# Allegro board 038RT-9068CJK8E-A100_0921_1.brd (continued)
## Nets (continued)
S2_AVDD09: S2_AVDD09.1(TP) SITE2.A8(AVDD09_FE[01]) SITE2.D8(AVDD09_FE[02]) SITE2.D15(AVDD09_MCK[01]) SITE2.D16(AVDD09_GIGA[01]) SITE2.E4(AVDD09[01]) SITE2.E5(AVDD09[02]) SITE2.E15(AVDD09_MCK[02]) SITE2.E16(AVDD09_GIGA[02]) SITE2.T13(AVDD09_SGMII[01]) SITE2.T14(AVDD09_SGMII[02]) SITE2.V4(AVDD09_RX[01]) SITE2.V5(AVDD09_RX[02]) SITE2.V8(AVDD09_CMU[01]) SITE2.V9(AVDD09_CMU[02]) SITE2.V10(AVDD09_TX[01]) SITE2.V11(AVDD09_TX[02]) UNK2BD2.1 UNK2CD26.1 UNK2CD27.1 UNK2CD28.1 UNK2CD29.1 UNK2CD30.1 UNK2CD31.1 UNK2CD32.1 UNK2CD33.1 UNK2CD34.1 UNK2CD35.1 UNK2CD36.1 UNK2CD37.1 UNK2CD38.1 UNK2CD39.1 UNK2CD40.1 UNK2CD41.1 UNK2CD42.1 UNK2CD43.1 UNK2CD44.1 UNK2CD82.1 UNK2CD86.1
S2_AVDD09_VO09: UNK2K4.8 UNK2RD21.1
S2_AVDD33: S2_AVDD33.1(TP) SITE2.B12(AVDD33_XTAL[01]) SITE2.B13(AVDD33_XTAL[02]) SITE2.B14(AVDD33_CEN) SITE2.B17(AVDD33_MCK[01]) SITE2.B18(AVDD33_MCK[02]) SITE2.D4(AVDD33[01]) SITE2.D5(AVDD33[02]) SITE2.D6(AVDD33_DIG[01]) SITE2.D7(AVDD33_FE[01]) SITE2.E6(AVDD33_DIG[02]) SITE2.E7(AVDD33_FE[02]) SITE2.E11(AVDD33_CKDIG) SITE2.F15(AVDD33_P2[01]) SITE2.F16(AVDD33_P3[01]) SITE2.G5(AVDD33_PCTL) SITE2.G15(AVDD33_P2[02]) SITE2.G16(AVDD33_P3[02]) SITE2.T9(AVDD33_CMU[01]) SITE2.T10(AVDD33_CMU[02]) SITE2.T15(AVDD33_SGMII[01]) SITE2.T16(AVDD33_SGMII[02]) SITE2.V16(AVDD33_SGMII[03]) UNK2CD51.1 UNK2CD52.1 UNK2CD53.1 UNK2CD54.1 UNK2CD55.1 UNK2CD56.1 UNK2CD57.1 UNK2CD58.1 UNK2CD59.1 UNK2CD60.1 UNK2CD61.1 UNK2CD62.1 UNK2CD63.1 UNK2CD64.1 UNK2CD65.1 UNK2CD66.1 UNK2CD67.1 UNK2CD68.1 UNK2CD69.1 UNK2CD70.1 UNK2CD71.1 UNK2CD72.1 UNK2CD73.1 UNK2CD87.1 UNK2CD88.1 UNK2RD32.1
S2_AVDD33_MOSFET: S2_AVDD33_MOSFET.1(TP) SITE2.J5(AVDD33MOSFET) UNK2BD5.1 UNK2CD90.1 UNK2CD96.1 UNK2CD114.1 UNK2CMOS1.3 UNK2ST5.1
S2_CHR_FE_MDI+: UNK2K58.4 UNK2R130.1
S2_CHR_FE_MDI-: UNK2K58.5 UNK2R130.2
S2_CHR_FE_MDIX+: UNK2K54.4 UNK2R126.1
S2_CHR_FE_MDIX-: UNK2K54.5 UNK2R126.2
S2_CKXTAL1: SITE2.A13(XI) UNK2K34.6
S2_CKXTAL2: SITE2.A12(XO) UNK2K34.3
S2_DCH_AT+: MUX15.4(S3A) SITE2.B15(ATP)
S2_DCH_AT-: MUX15.9(S3B) SITE2.B16(ATN)
S2_DCH_P4_HSI+: MUX1.4(S3A) UNK2K184.33
S2_DCH_P4_HSI-: MUX1.9(S3B) UNK2K184.34
S2_DCH_P4_HSO+: MUX2.4(S3A) UNK2K184.31
S2_DCH_P4_HSO-: MUX2.9(S3B) UNK2K184.32
S2_DCH_P5_HSI+: MUX3.4(S3A) UNK2K184.24
S2_DCH_P5_HSI-: MUX3.9(S3B) UNK2K184.25
S2_DCH_P5_HSO+: MUX4.4(S3A) UNK2K184.22
S2_DCH_P5_HSO-: MUX4.9(S3B) UNK2K184.23
S2_DCH_P6_CLKREQB: MUX11.4(S3A) UNK2K211.4
S2_DCH_P6_HSI+: MUX6.4(S3A) UNK2K214.24
S2_DCH_P6_HSI-: MUX6.9(S3B) UNK2K214.25
S2_DCH_P6_HSO+: MUX7.4(S3A) UNK2K217.25
S2_DCH_P6_HSO-: MUX7.9(S3B) UNK2K217.24
S2_DCH_P6_ISOLATEB: MUX13.4(S3A) UNK2K220.4
S2_DCH_P6_LANWAKEB: MUX12.4(S3A) UNK2K212.4
S2_DCH_P6_PCIE_RESETB: MUX14.4(S3A) UNK2K221.4
S2_DCH_P6_REFCLK_100M+: MUX5.4(S3A) UNK2K214.34
S2_DCH_P6_REFCLK_100M-: MUX5.9(S3B) UNK2K214.33
S2_DCH_P7_CLKREQB: MUX11.9(S3B) UNK2K211.5
S2_DCH_P7_HSI+: MUX9.4(S3A) UNK2K214.22
S2_DCH_P7_HSI-: MUX9.9(S3B) UNK2K214.23
S2_DCH_P7_HSO+: MUX10.4(S3A) UNK2K217.23
S2_DCH_P7_HSO-: MUX10.9(S3B) UNK2K217.22
S2_DCH_P7_ISOLATEB: MUX13.9(S3B) UNK2K220.5
S2_DCH_P7_LANWAKEB: MUX12.9(S3B) UNK2K212.5
S2_DCH_P7_PCIE_RESETB: MUX14.9(S3B) UNK2K221.5
S2_DCH_P7_REFCLK_100M+: MUX8.4(S3A) UNK2K214.32
S2_DCH_P7_REFCLK_100M-: MUX8.9(S3B) UNK2K214.31
S2_DISB: SITE2.R1(DISB) UNK2RD178.1
S2_DPS_AVDD09: S2_DPS_AVDD09.1 SLOT23.D13 UNK2CD45.1 UNK2CD46.1 UNK2CD47.1 UNK2CD48.1 UNK2CD49.1 UNK2CD50.1 UNK2K4.10 UNK2ST2.1
S2_DPS_AVDD33: S2_DPS_AVDD33.1 SLOT23.E20 SLOT23.E23 UNK2BD5.2 UNK2CD74.1 UNK2CD75.1 UNK2CD76.1 UNK2CD77.1 UNK2CD78.1 UNK2CD79.1 UNK2CD111.1 UNK2CD113.1 UNK2CD115.1 UNK2CD116.1 UNK2CD117.1 UNK2CD118.1 UNK2CD119.1 UNK2CD120.1 UNK2RD32.2
S2_DPS_DVDD09: S2_DPS_DVDD09.1 SLOT23.D1 SLOT23.D4 UNK2CD20.1 UNK2CD21.1 UNK2CD22.1 UNK2CD23.1 UNK2CD24.1 UNK2CD25.1 UNK2CD169.1 UNK2CD170.1 UNK2CD171.1 UNK2CD172.1 UNK2CD173.1 UNK2CD174.1 UNK2K4.3
S2_DPS_DVDD33: S2_DPS_DVDD33.1 UNK2CD93.1 UNK2CD94.1 UNK2CD95.1 UNK2CD97.1 UNK2CD112.1 UNK2RD42.2 UNK2RD43.1
S2_DPS_GPIO_P015VDDIO: S2_DPS_GPIO_P015.1 SLOT23.E17 UNK2CD121.1 UNK2CD122.1 UNK2CD123.1 UNK2CD124.1 UNK2CD125.1 UNK2CD126.1 UNK2K5.3 UNK2K5.5 UNK2K5.10
S2_DPS_LDOIN: S2_DPS_LDOIN.1 SLOT23.D16 UNK2CD155.1 UNK2CD156.1 UNK2CD157.1 UNK2CD158.1 UNK2CD159.1 UNK2CD160.1 UNK2CD167.1 UNK2RD43.2 UNK2RD72.2
S2_DVDD09: S2_DVDD09.1(TP) SITE2.G8(DVDD09[01]) SITE2.H9(DVDD09[02]) SITE2.J9(DVDD09[03]) SITE2.K9(DVDD09[04]) SITE2.L9(DVDD09[05]) SITE2.M10(DVDD09[06]) SITE2.M11(DVDD09[07]) SITE2.M12(DVDD09[08]) SITE2.N10(DVDD09[09]) SITE2.N11(DVDD09[10]) SITE2.N12(DVDD09[11]) UNK2BD1.1 UNK2BD19.1 UNK2BD20.1 UNK2CD1.1 UNK2CD2.1 UNK2CD3.1 UNK2CD4.1 UNK2CD5.1 UNK2CD6.1 UNK2CD7.1 UNK2CD8.1 UNK2CD9.1 UNK2CD10.1 UNK2CD11.1 UNK2CD12.1 UNK2CD13.1 UNK2CD14.1 UNK2CD15.1 UNK2CD16.1 UNK2CD17.1 UNK2CD18.1 UNK2CD19.1 UNK2CD80.1 UNK2CD81.1 UNK2ST1.1
S2_DVDD09_VO09: UNK2K4.5 UNK2RD11.1
S2_DVDD33: S2_DVDD33.1(TP) SITE2.M13(DVDD33[01]) SITE2.N13(DVDD33[02]) UNK2CD83.1 UNK2CD84.1 UNK2CD85.1 UNK2CD89.1 UNK2CD91.1 UNK2CD92.1 UNK2CD100.1 UNK2CD142.1 UNK2RD42.1
S2_F_AVDD09: UNK2BD2.2 UNK2CD110.1 UNK2CD179.1 UNK2K4.9
S2_F_DVDD09: UNK2BD1.2 UNK2BD19.2 UNK2BD20.2 UNK2CD109.1 UNK2CD178.1 UNK2K4.4
S2_F_GPIO_VDDIO: UNK2CD135.1 UNK2CD180.1 UNK2K5.4 UNK2RD64.2
S2_F_P0_1_5_VDDIO: UNK2BD8.2 UNK2BD9.2 UNK2BD10.2 UNK2CD144.1 UNK2CD149.1 UNK2CD154.1 UNK2CD181.1 UNK2CD182.1 UNK2CD183.1 UNK2K5.9
S2_FE_LED0: SITE2.N15(FE_LED0) UNK2RD88.1
S2_FE_LED1: SITE2.P15(FE_LED1) UNK2RD89.1
S2_FE_MDI+: SITE2.B8(FE_MDIPA) UNK2K56.3
S2_FE_MDI-: SITE2.B7(FE_MDINA) UNK2K56.6
S2_FE_MDIX+: SITE2.A7(FE_MDIPB) UNK2K52.3
S2_FE_MDIX-: SITE2.A6(FE_MDINB) UNK2K52.6
S2_GPIO_VDDIO: S2_GPIO_VDDIO.1(TP) SITE2.L7(GPIO0_VDDIO) SITE2.M9(GPIO1_VDDIO) SITE2.R6(MAC_VDDIO[01]) SITE2.T6(MAC_VDDIO[02]) UNK2CD108.1 UNK2CD127.1 UNK2CD128.1 UNK2CD129.1 UNK2CD130.1 UNK2CD131.1 UNK2CD132.1 UNK2CD133.1 UNK2CD134.1 UNK2CD143.1 UNK2RD62.2 UNK2RD64.1 UNK2ST6.1
S2_GPIOA_0: SITE2.L1(GPIOA_0) UNK2RD81.1
S2_GPIOA_1: SITE2.M1(GPIOA_1) UNK2RD83.1
S2_GPIOA_2: SITE2.N1(GPIOA_2) UNK2RD82.1
S2_GPIOA_3: SITE2.P1(GPIOA_3) UNK2RD84.1
S2_GPIOB_0: SITE2.L2(GPIOB_0) UNK2RD85.1
S2_GPIOB_1: SITE2.M2(GPIOB_1) UNK2RD86.1
S2_GPIOB_2: SITE2.N2(GPIOB_2) UNK2RD101.1
S2_GPIOC_0: SITE2.L4(GPIOC_0) UNK2RD98.1
S2_GPIOC_1: SITE2.L5(GPIOC_1) UNK2RD99.1
S2_H_SW_CTRL: S2_SW_CTRL.1 UNK2R137.2
S2_HOLD: SITE2.N16(SPI_SIO3) UNK2RD78.1
S2_INH: SITE2.J4(INH) UNK2K6.5 UNK2R275.1 UNK2R360.1
S2_INH_DIV2: UNK2K6.3 UNK2R360.2 UNK2R361.1
S2_INH_GND: UNK2K6.9 UNK2R361.2
S2_L_SW_CTRL: S2_SW_CTRL.3 UNK2R138.2
S2_LB_FE_MDI+: UNK2U6.43 UNK2U6.53
S2_LB_FE_MDI-: UNK2U6.42 UNK2U6.52
S2_LB_FE_MDIX+: UNK2U6.37 UNK2U6.59
S2_LB_FE_MDIX-: UNK2U6.36 UNK2U6.58
S2_LB_P2_GIGA_MDI+: UNK2K144.23 UNK2K144.25
S2_LB_P2_GIGA_MDI-: UNK2K144.22 UNK2K144.24
S2_LB_P3_GIGA_MDI+: UNK2K144.32 UNK2K144.34
S2_LB_P3_GIGA_MDI-: UNK2K144.31 UNK2K144.33
S2_LDOIN: S2_LDOIN.1(TP) SITE2.H12(P5_LDOIN[01]) SITE2.H13(P1_LDOIN[01]) SITE2.J7(P0_LDOIN[01]) SITE2.J12(P5_LDOIN[02]) SITE2.J13(P1_LDOIN[02]) SITE2.K7(P0_LDOIN[02]) UNK2CD98.1 UNK2CD99.1 UNK2CD161.1 UNK2CD162.1 UNK2CD163.1 UNK2CD164.1 UNK2CD165.1 UNK2CD166.1 UNK2RD72.1 UNK2ST3.1
S2_MCT1: UNK2R134.1 UNK2T12.2
S2_MCT2: UNK2R133.1 UNK2T12.7
S2_MCT_RC: UNK2C172.1 UNK2R133.2 UNK2R134.2
S2_NGATE: SITE2.F5(NGATE) UNK2K11.9
S2_OE_K144: UNK2K144.1 UNK2K144.10 UNK2RL18.1
S2_OE_K145: UNK2K145.1 UNK2K145.10 UNK2RL16.1
S2_OE_K184: UNK2K184.1 UNK2K184.10 UNK2RL21.1
S2_OE_K213: UNK2K213.1 UNK2K213.10 UNK2RL42.1
S2_OE_K214: UNK2K214.1 UNK2K214.10 UNK2RL44.1
S2_OE_K217: UNK2K217.1 UNK2K217.10 UNK2RL39.1
S2_P0_LDOOUT: K8.9(COMMON2) SITE2.H7(P0_LDOOUT[01]) SITE2.H8(P0_LDOOUT[02])
S2_P0_LED: SITE2.H15(P0_LED) UNK2RD90.1
S2_P0_MDI+: SITE2.A3(P0_MDIP) UNK2K60.3
S2_P0_MDI-: SITE2.A2(P0_MDIN) UNK2K60.6
S2_P0_RXC: SITE2.G1(P0_RXC) UNK2RR410.1
S2_P0_RXD0: SITE2.K2(P0_RXD0) UNK2RR413.1
S2_P0_RXD1: SITE2.K1(P0_RXD1) UNK2RR407.1
S2_P0_RXD2: SITE2.J2(P0_RXD2) UNK2RR411.1
S2_P0_RXD3: SITE2.J1(P0_RXD3) UNK2RR408.1
S2_P0_RXDV: SITE2.H2(P0_RXDV) UNK2RR409.1
S2_P0_RXER: SITE2.H1(P0_RXER) UNK2RR406.1
S2_P0_TESTD: SITE2.G2(P0_TESTD) UNK2RR412.1
S2_P0_TXC: SITE2.E2(P0_TXC) UNK2RR404.1
S2_P0_TXD0: SITE2.D2(P0_TXD0) UNK2RR400.1
S2_P0_TXD1: SITE2.D1(P0_TXD1) UNK2RR401.1
S2_P0_TXD2: SITE2.C2(P0_TXD2) UNK2RR402.1
S2_P0_TXD3: SITE2.C1(P0_TXD3) UNK2RR403.1
S2_P0_TXEN: SITE2.E1(P0_TXEN) UNK2RR405.1
S2_P0_VDDIO: K8.10(NC2) SITE2.B1(P0_VDDIO[01]) SITE2.F1(P0_VDDIO[02]) SITE2.F2(P0_VDDIO[03]) UNK2BD8.1 UNK2CD104.1 UNK2CD105.1 UNK2CD136.1 UNK2CD137.1 UNK2CD138.1 UNK2CD139.1
S2_P1_LDOOUT: K9.9(COMMON2) SITE2.K13(P1_LDOOUT[01]) SITE2.L13(P1_LDOOUT[02])
S2_P1_LED: SITE2.J16(P1_LED) UNK2RD95.1
S2_P1_MDI+: SITE2.B4(P1_MDIP) UNK2K64.3
S2_P1_MDI-: SITE2.B3(P1_MDIN) UNK2K64.6
S2_P1_RXC: SITE2.R18(P1_RXC) UNK2RR524.1 UNK2RR534.1
S2_P1_RXD0: SITE2.M18(P1_RXD0) UNK2RR520.1 UNK2RR530.1
S2_P1_RXD1: SITE2.M19(P1_RXD1) UNK2RR521.1 UNK2RR531.1
S2_P1_RXD2: SITE2.N18(P1_RXD2) UNK2RR522.1 UNK2RR532.1
S2_P1_RXD3: SITE2.N19(P1_RXD3) UNK2RR523.1 UNK2RR533.1
S2_P1_RXDV: SITE2.P18(P1_RXDV) UNK2RR525.1 UNK2RR535.1
S2_P1_TXC: SITE2.T19(P1_TXC) UNK2RR504.1 UNK2RR514.1
S2_P1_TXD0: SITE2.V19(P1_TXD0) UNK2RR500.1 UNK2RR510.1
S2_P1_TXD1: SITE2.V18(P1_TXD1) UNK2RR501.1 UNK2RR511.1
S2_P1_TXD2: SITE2.W18(P1_TXD2) UNK2RR502.1 UNK2RR512.1
S2_P1_TXD3: SITE2.V17(P1_TXD3) UNK2RR503.1 UNK2RR513.1
S2_P1_TXEN: SITE2.U19(P1_TXEN) UNK2RR505.1 UNK2RR515.1
S2_P1_VDDIO: K9.10(NC2) SITE2.R19(P1_VDDIO[01]) SITE2.T18(P1_VDDIO[02]) UNK2BD9.1 UNK2CD106.1 UNK2CD107.1 UNK2CD145.1 UNK2CD146.1 UNK2CD147.1 UNK2CD148.1
S2_P2_GIGA_MDI+: SITE2.A16(P2_GIGA_MDIP) UNK2T18.3
S2_P2_GIGA_MDI-: SITE2.A15(P2_GIGA_MDIN) UNK2T18.4
S2_P2_LED: SITE2.J15(P2_LED) UNK2RD96.1
S2_P3_GIGA_MDI+: SITE2.A18(P3_GIGA_MDIP) UNK2T23.3
S2_P3_GIGA_MDI-: SITE2.A17(P3_GIGA_MDIN) UNK2T23.4
S2_P3_LED: SITE2.K15(P3_LED) UNK2RD100.1
S2_P4_HSI+: SITE2.V12(P4_HSIP) UNK2K184.3
S2_P4_HSI-: SITE2.V13(P4_HSIN) UNK2K184.2
S2_P4_HSO+: SITE2.W13(P4_HSOP) UNK2K184.7
S2_P4_HSO-: SITE2.W14(P4_HSON) UNK2K184.6
S2_P5_HSI+: SITE2.V14(P5_HSIP) UNK2K184.12
S2_P5_HSI-: SITE2.V15(P5_HSIN) UNK2K184.11
S2_P5_HSO+: SITE2.W15(P5_HSOP) UNK2K184.16
S2_P5_HSO-: SITE2.W16(P5_HSON) UNK2K184.15
S2_P5_LDOOUT: K10.9(COMMON2) SITE2.K12(P5_LDOOUT[01]) SITE2.L12(P5_LDOOUT[02])
S2_P5_LED: SITE2.L15(P5_LED) UNK2RD87.1
S2_P5_MDI+: SITE2.A5(P5_MDIP) UNK2K130.3
S2_P5_MDI-: SITE2.A4(P5_MDIN) UNK2K130.6
S2_P5_RXC: SITE2.G19(P5_RXC) UNK2RR924.1 UNK2RR934.1
S2_P5_RXD0: SITE2.D19(P5_RXD0) UNK2RR920.1 UNK2RR930.1
S2_P5_RXD1: SITE2.E18(P5_RXD1) UNK2RR921.1 UNK2RR931.1
S2_P5_RXD2: SITE2.E19(P5_RXD2) UNK2RR922.1 UNK2RR932.1
S2_P5_RXD3: SITE2.F18(P5_RXD3) UNK2RR923.1 UNK2RR933.1
S2_P5_RXDV: SITE2.F19(P5_RXDV) UNK2RR925.1 UNK2RR935.1
S2_P5_TXC: SITE2.J18(P5_TXC) UNK2RR904.1 UNK2RR914.1
S2_P5_TXD0: SITE2.K18(P5_TXD0) UNK2RR900.1 UNK2RR910.1
S2_P5_TXD1: SITE2.K19(P5_TXD1) UNK2RR901.1 UNK2RR911.1
S2_P5_TXD2: SITE2.L18(P5_TXD2) UNK2RR902.1 UNK2RR912.1
S2_P5_TXD3: SITE2.L19(P5_TXD3) UNK2RR903.1 UNK2RR913.1
S2_P5_TXEN: SITE2.J19(P5_TXEN) UNK2RR905.1 UNK2RR915.1
S2_P5_VDDIO: K10.10(NC2) SITE2.D18(P5_VDDIO[01]) SITE2.H18(P5_VDDIO[02]) SITE2.H19(P5_VDDIO[03]) UNK2BD10.1 UNK2CD140.1 UNK2CD141.1 UNK2CD150.1 UNK2CD151.1 UNK2CD152.1
S2_P6_CLKREQB: SITE2.U1(P6_CLKREQB) UNK2K211.3
S2_P6_HSI+: SITE2.W6(P6_HSIP) UNK2K213.7
S2_P6_HSI-: SITE2.W5(P6_HSIN) UNK2K213.6
S2_P6_HSO+: SITE2.W3(P6_HSOP) UNK2K213.2
S2_P6_HSO-: SITE2.W4(P6_HSON) UNK2K213.3
S2_P6_ISOLATEB: SITE2.U2(P6_ISOLATEB) UNK2K220.3
S2_P6_LANWAKEB: SITE2.T2(P6_LANWAKEB) UNK2K212.3
S2_P6_LED: SITE2.M15(P6_LED) UNK2RD92.1
S2_P6_MDI+: SITE2.B6(P6_MDIP) UNK2K140.3
S2_P6_MDI-: SITE2.B5(P6_MDIN) UNK2K140.6
S2_P6_PCIE_RESETB: SITE2.V1(P6_PCIE_RESETB) UNK2K221.3
S2_P6_REFCLK+: SITE2.V2(P6_REFCLK_P) UNK2K214.2
S2_P6_REFCLK-: SITE2.V3(P6_REFCLK_N) UNK2K214.3
S2_P7_CLKREQB: SITE2.R5(P7_CLKREQB) UNK2K211.6
S2_P7_HSI+: SITE2.W11(P7_HSIP) UNK2K213.16
S2_P7_HSI-: SITE2.W10(P7_HSIN) UNK2K213.15
S2_P7_HSO+: SITE2.W8(P7_HSOP) UNK2K213.11
S2_P7_HSO-: SITE2.W9(P7_HSON) UNK2K213.12
S2_P7_ISOLATEB: SITE2.T4(P7_ISOLATEB) UNK2K220.6
S2_P7_LANWAKEB: SITE2.R4(P7_LANWAKEB) UNK2K212.6
S2_P7_PCIE_RESETB: SITE2.T5(P7_PCIE_RESETB) UNK2K221.6
S2_P7_REFCLK+: SITE2.V6(P7_REFCLK_P) UNK2K214.6
S2_P7_REFCLK-: SITE2.V7(P7_REFCLK_N) UNK2K214.7
S2_PGATE: SITE2.H5(PGATE) UNK2K11.4
S2_R_P0_RXC: UNK2K233.3 UNK2RR410.2
S2_R_P0_RXD0: UNK2K182.6 UNK2RR413.2
S2_R_P0_RXD1: UNK2K231.6 UNK2RR407.2
S2_R_P0_RXD2: UNK2K233.6 UNK2RR411.2
S2_R_P0_RXD3: UNK2K232.3 UNK2RR408.2
S2_R_P0_RXDV: UNK2K232.6 UNK2RR409.2
S2_R_P0_RXER: UNK2K183.6 UNK2RR406.2
S2_R_P0_TXC: UNK2K181.6 UNK2RR404.2
S2_R_P0_TXD0: UNK2K180.6 UNK2RR400.2
S2_R_P0_TXD1: UNK2K181.3 UNK2RR401.2
S2_R_P0_TXD2: UNK2K182.3 UNK2RR402.2
S2_R_P0_TXD3: UNK2K183.3 UNK2RR403.2
S2_R_P0_TXEN: UNK2K180.3 UNK2RR405.2
S2_RESETB: SITE2.T1(RESETB) UNK2RD179.1
S2_RTT: SITE2.D11(RTT_CKDIG) UNK2R105.1 UNK2R434.1
S2_SEL1_K145: UNK2K145.8 UNK2RL15.1 UNK2RU11.2 UNK2RU12.1
S2_SEL2_K145: UNK2K145.17 UNK2RU12.2
S2_SEL2_K217: UNK2K217.17 UNK2RL38.1
S2_SPI_CSB: SITE2.L16(SPI_CSB) UNK2RD73.1
S2_SPI_SCK: SITE2.P16(SPI_SCK) UNK2RD75.1
S2_SPI_SI: SITE2.R16(SPI_SIO0) UNK2RD76.1
S2_SPI_SO: SITE2.M16(SPI_SIO1) UNK2RD74.1
S2_SPI_VDDIO: SITE2.R15(SPI_VDDIO) UNK2RD62.1
S2_SW_CTRL: S2_SW_CTRL.2 SLOT2-DOWN.F6 UNK2U6.10 UNK2U6.25 UNK2U17.10 UNK2U17.25 UNK2U18.10 UNK2U18.25
S2_SWR1_EN: UNK2CS5.1 UNK2R548.2 UNK2SWR1.7
S2_SWR1_FB: SG2_SWR1_FB.1 UNK2CS2.2 UNK2RB7.2 UNK2RB8.1 UNK2SWR1.1
S2_SWR1_LX: UNK2LX1.1 UNK2SWR1.6
S2_SWR1_PG: UNK2RS6.2 UNK2SWR1.2
S2_SWR1_VIN: UNK2RS6.1 UNK2RS9.2 UNK2SWR1.3
S2_TAPSL0: SITE2.P2(TAPSL0) UNK2RD79.1
S2_TAPSL0_HIGH: S2_TAPSL0.1 UNK2R342.1
S2_TAPSL0_LOW: S2_TAPSL0.3 UNK2R343.1
S2_TAPSL1: SITE2.R2(TAPSL1) UNK2RD80.1
S2_TAPSL1_HIGH: S2_TAPSL1.1 UNK2R344.1
S2_TAPSL1_LOW: S2_TAPSL1.3 UNK2R345.1
S2_TCT: UNK2C171.1 UNK2T12.10 UNK2T12.15
S2_TDO: SITE2.H16(TDO) UNK2RD97.2
S2_U1_FE_MDI+: UNK2K56.4 UNK2T12.11
S2_U1_FE_MDI-: UNK2K56.5 UNK2T12.9
S2_U1_FE_MDIX+: UNK2K52.4 UNK2T12.16
S2_U1_FE_MDIX-: UNK2K52.5 UNK2T12.14
S2_U1_P0_MDI+: UNK2K60.4 UNK2T7.3
S2_U1_P0_MDI-: UNK2K60.5 UNK2T7.4
S2_U1_P1_MDI+: UNK2K64.4 UNK2T8.3
S2_U1_P1_MDI-: UNK2K64.5 UNK2T8.4
S2_U1_P2_GIGA_MDI+: UNK2C385.1 UNK2T18.2
S2_U1_P2_GIGA_MDI-: UNK2C384.1 UNK2T18.1
S2_U1_P3_GIGA_MDI+: UNK2C413.1 UNK2T23.2
S2_U1_P3_GIGA_MDI-: UNK2C412.1 UNK2T23.1
S2_U1_P5_MDI+: UNK2K130.4 UNK2T17.3
S2_U1_P5_MDI-: UNK2K130.5 UNK2T17.4
S2_U1_P6_MDI+: UNK2K140.4 UNK2T15.3
S2_U1_P6_MDI-: UNK2K140.5 UNK2T15.4
S2_U2_FE_MDI+: UNK2T12.6 UNK2U6.12
S2_U2_FE_MDI-: UNK2T12.8 UNK2U6.13
S2_U2_FE_MDIX+: UNK2T12.1 UNK2U6.6
S2_U2_FE_MDIX-: UNK2T12.3 UNK2U6.7
S2_U2_P0_MDI+: UNK2C195.1 UNK2T7.2
S2_U2_P0_MDI-: UNK2C196.1 UNK2T7.1
S2_U2_P1_MDI+: UNK2C198.1 UNK2T8.2
S2_U2_P1_MDI-: UNK2C199.1 UNK2T8.1
S2_U2_P2_GIGA_MDI+: UNK2C385.2 UNK2K144.11 UNK2R454.1
S2_U2_P2_GIGA_MDI-: UNK2C384.2 UNK2K144.12 UNK2R455.1
S2_U2_P2_RC: UNK2C391.1 UNK2R454.2 UNK2R455.2 UNK2R456.1
S2_U2_P3_GIGA_MDI+: UNK2C413.2 UNK2K144.2 UNK2R498.1
S2_U2_P3_GIGA_MDI-: UNK2C412.2 UNK2K144.3 UNK2R499.1
S2_U2_P3_RC: UNK2C418.1 UNK2R498.2 UNK2R499.2 UNK2R500.1
S2_U2_P5_MDI+: UNK2C383.1 UNK2T17.2
S2_U2_P5_MDI-: UNK2C381.1 UNK2T17.1
S2_U2_P6_MDI+: UNK2C376.1 UNK2T15.2
S2_U2_P6_MDI-: UNK2C377.1 UNK2T15.1
S2_U3_FE_MDI+: UNK2CON1.3 UNK2U6.55
S2_U3_FE_MDI-: UNK2CON1.6 UNK2U6.54
S2_U3_FE_MDIX+: UNK2CON1.1 UNK2U6.61
S2_U3_FE_MDIX-: UNK2CON1.2 UNK2U6.60
S2_U3_P0_MDI+: UNK2C195.2 UNK2R149.1 UNK2U17.21
S2_U3_P0_MDI-: UNK2C196.2 UNK2R150.1 UNK2U17.22
S2_U3_P0_RC: UNK2C194.1 UNK2R2.1 UNK2R149.2 UNK2R150.2
S2_U3_P1_MDI+: UNK2C198.2 UNK2R155.1 UNK2U17.27
S2_U3_P1_MDI-: UNK2C199.2 UNK2R156.1 UNK2U17.28
S2_U3_P1_RC: UNK2C197.1 UNK2R3.1 UNK2R155.2 UNK2R156.2
S2_U3_P2_GIGA_MDI+: UNK2K144.29 UNK2K145.24
S2_U3_P2_GIGA_MDI-: UNK2K144.28 UNK2K145.25
S2_U3_P3_GIGA_MDI+: UNK2K144.38 UNK2K145.28
S2_U3_P3_GIGA_MDI-: UNK2K144.37 UNK2K145.29
S2_U3_P5_MDI+: UNK2C383.2 UNK2R440.1 UNK2U17.18
S2_U3_P5_MDI-: UNK2C381.2 UNK2R439.1 UNK2U17.19
S2_U3_P5_RC: UNK2C379.1 UNK2R5.1 UNK2R439.2 UNK2R440.2
S2_U3_P6_MDI+: UNK2C376.2 UNK2R441.1 UNK2U17.12
S2_U3_P6_MDI-: UNK2C377.2 UNK2R438.1 UNK2U17.13
S2_U3_P6_RC: UNK2C375.1 UNK2R10.1 UNK2R438.2 UNK2R441.2
S2_U4_GIGA_MDI+: UNK2GPHY3.1 UNK2K145.12
S2_U4_GIGA_MDI-: UNK2GPHY3.2 UNK2K145.11
S2_U4_P0_MDI+: UNK2K60.2 UNK2K240.3
S2_U4_P0_MDI-: UNK2K60.7 UNK2K240.6
S2_U4_P1_MDI+: UNK2K64.2 UNK2K241.3
S2_U4_P1_MDI-: UNK2K64.7 UNK2K241.6
S2_U4_P2_R_1: UNK2GPHY2.G1 UNK2GPHY2.G2 UNK2GPHY2.G3 UNK2R542.2
S2_U4_P2_R_2: UNK2GPHY2.G4 UNK2GPHY2.G5 UNK2GPHY2.G6 UNK2R543.2
S2_U4_P2_RC_1: UNK2C441.1 UNK2R542.1
S2_U4_P2_RC_2: UNK2C442.1 UNK2R543.1
S2_U4_P3_R_1: UNK2GPHY3.G1 UNK2GPHY3.G2 UNK2GPHY3.G3 UNK2R540.1
S2_U4_P3_R_2: UNK2GPHY3.G4 UNK2GPHY3.G5 UNK2GPHY3.G6 UNK2R541.2
S2_U4_P3_RC_1: UNK2C439.1 UNK2R540.2
S2_U4_P3_RC_2: UNK2C440.1 UNK2R541.1
S2_U4_P5_MDI+: UNK2K130.2 UNK2K242.3
S2_U4_P5_MDI-: UNK2K130.7 UNK2K242.6
S2_U4_P6_MDI+: UNK2K140.2 UNK2K243.3
S2_U4_P6_MDI-: UNK2K140.7 UNK2K243.6
S2_U4PI_P0_MDI+: UNK2MQS1.1 UNK2U17.45
S2_U4PI_P0_MDI-: UNK2MQS1.2 UNK2U17.44
S2_U4PI_P1_MDI+: UNK2MQS1.10 UNK2U17.39
S2_U4PI_P1_MDI-: UNK2MQS1.11 UNK2U17.38
S2_U4PI_P5_MDI+: UNK2MQS1.3 UNK2U17.49
S2_U4PI_P5_MDI-: UNK2MQS1.4 UNK2U17.48
S2_U4PI_P6_MDI+: UNK2MQS1.12 UNK2U17.55
S2_U4PI_P6_MDI-: UNK2MQS1.13 UNK2U17.54
S2_U4PILB_P0_MDI+: UNK2U17.43 UNK2U18.59
S2_U4PILB_P0_MDI-: UNK2U17.42 UNK2U18.58
S2_U4PILB_P1_MDI+: UNK2U17.37 UNK2U18.53
S2_U4PILB_P1_MDI-: UNK2U17.36 UNK2U18.52
S2_U4PILB_P5_MDI+: UNK2U17.47 UNK2U18.47
S2_U4PILB_P5_MDI-: UNK2U17.46 UNK2U18.46
S2_U4PILB_P6_MDI+: UNK2U17.53 UNK2U18.43
S2_U4PILB_P6_MDI-: UNK2U17.52 UNK2U18.42
S2_U6_VDD: UNK2C173.1 UNK2R20.1 UNK2R137.1 UNK2U6.2 UNK2U6.8 UNK2U6.11 UNK2U6.15 UNK2U6.16 UNK2U6.20 UNK2U6.24 UNK2U6.26 UNK2U6.31 UNK2U6.33 UNK2U6.40 UNK2U6.56 UNK2U6.64
S2_U17_VDD: UNK2C209.1 UNK2C220.1 UNK2R21.1 UNK2U17.2 UNK2U17.8 UNK2U17.11 UNK2U17.15 UNK2U17.16 UNK2U17.20 UNK2U17.24 UNK2U17.26 UNK2U17.31 UNK2U17.33 UNK2U17.40 UNK2U17.56 UNK2U17.64 UNK2U18.2 UNK2U18.8 UNK2U18.11 UNK2U18.15 UNK2U18.16 UNK2U18.20 UNK2U18.24 UNK2U18.26 UNK2U18.31 UNK2U18.33 UNK2U18.40 UNK2U18.56 UNK2U18.64
S2_VBAT: S2_PH_VBAT.1 S2_VBAT.1(TP) SITE2.G7(VBAT) UNK2C78.1 UNK2C79.1 UNK2C325.1 UNK2K7.4 UNK2K7.9 UNK2R276.2 UNK2R309.1
S2_VO09: S2_VO09.1(TP) SITE2.G4(VO09) SLOT0-UP.E17 UNK2CD168.1 UNK2L3.2 UNK2RD11.2 UNK2RD21.2
S2_VSENSE: SITE2.F4(VSENSE) UNK2K223.4
S2_WAKE: K82.9(COMMON2) SITE2.K4(WAKE)
S2_WP: SITE2.K16(SPI_SIO2) UNK2RD77.1
S3_1_CKXTAL1: UNK3C169.2 UNK3K34.5 UNK3Y7.3
S3_1_CKXTAL2: UNK3C168.2 UNK3K34.4 UNK3Y7.1
S3_1_INH: UNK3K6.4 UNK3R362.1
S3_1_NGATE: UNK3CMOS1.2 UNK3K11.8
S3_1_P6_HSI+: UNK3K213.31 UNK3K214.12
S3_1_P6_HSI-: UNK3K213.32 UNK3K214.11
S3_1_P6_HSO+: UNK3K213.34 UNK3K217.11
S3_1_P6_HSO-: UNK3K213.33 UNK3K217.12
S3_1_P7_HSI+: UNK3K213.22 UNK3K214.16
S3_1_P7_HSI-: UNK3K213.23 UNK3K214.15
S3_1_P7_HSO+: UNK3K213.25 UNK3K217.15
S3_1_P7_HSO-: UNK3K213.24 UNK3K217.16
S3_1_PGATE: UNK3CMOS1.4 UNK3K11.5
S3_1_VSENSE: UNK3CMOS1.5 UNK3CMOS1.6 UNK3CMOS1.7 UNK3CMOS1.8 UNK3CMOS1.9 UNK3CMOS1.10 UNK3K223.5 UNK3L3.1
S3_1_WAKE: UNK1K82.8 UNK3R276.1
S3_2_GPIOA1: UNK3K124.3 UNK3R328.2
S3_2_GPIOA2: UNK3K124.6 UNK3R327.2
S3_AVDD09: S3_AVDD09.1(TP) SITE3.A8(AVDD09_FE[01]) SITE3.D8(AVDD09_FE[02]) SITE3.D15(AVDD09_MCK[01]) SITE3.D16(AVDD09_GIGA[01]) SITE3.E4(AVDD09[01]) SITE3.E5(AVDD09[02]) SITE3.E15(AVDD09_MCK[02]) SITE3.E16(AVDD09_GIGA[02]) SITE3.T13(AVDD09_SGMII[01]) SITE3.T14(AVDD09_SGMII[02]) SITE3.V4(AVDD09_RX[01]) SITE3.V5(AVDD09_RX[02]) SITE3.V8(AVDD09_CMU[01]) SITE3.V9(AVDD09_CMU[02]) SITE3.V10(AVDD09_TX[01]) SITE3.V11(AVDD09_TX[02]) UNK3BD2.1 UNK3CD26.1 UNK3CD27.1 UNK3CD28.1 UNK3CD29.1 UNK3CD30.1 UNK3CD31.1 UNK3CD32.1 UNK3CD33.1 UNK3CD34.1 UNK3CD35.1 UNK3CD36.1 UNK3CD37.1 UNK3CD38.1 UNK3CD39.1 UNK3CD40.1 UNK3CD41.1 UNK3CD42.1 UNK3CD43.1 UNK3CD44.1 UNK3CD82.1 UNK3CD86.1
S3_AVDD09_VO09: UNK3K4.8 UNK3RD21.1
S3_AVDD33: S3_AVDD33.1(TP) SITE3.B12(AVDD33_XTAL[01]) SITE3.B13(AVDD33_XTAL[02]) SITE3.B14(AVDD33_CEN) SITE3.B17(AVDD33_MCK[01]) SITE3.B18(AVDD33_MCK[02]) SITE3.D4(AVDD33[01]) SITE3.D5(AVDD33[02]) SITE3.D6(AVDD33_DIG[01]) SITE3.D7(AVDD33_FE[01]) SITE3.E6(AVDD33_DIG[02]) SITE3.E7(AVDD33_FE[02]) SITE3.E11(AVDD33_CKDIG) SITE3.F15(AVDD33_P2[01]) SITE3.F16(AVDD33_P3[01]) SITE3.G5(AVDD33_PCTL) SITE3.G15(AVDD33_P2[02]) SITE3.G16(AVDD33_P3[02]) SITE3.T9(AVDD33_CMU[01]) SITE3.T10(AVDD33_CMU[02]) SITE3.T15(AVDD33_SGMII[01]) SITE3.T16(AVDD33_SGMII[02]) SITE3.V16(AVDD33_SGMII[03]) UNK3CD51.1 UNK3CD52.1 UNK3CD53.1 UNK3CD54.1 UNK3CD55.1 UNK3CD56.1 UNK3CD57.1 UNK3CD58.1 UNK3CD59.1 UNK3CD60.1 UNK3CD61.1 UNK3CD62.1 UNK3CD63.1 UNK3CD64.1 UNK3CD65.1 UNK3CD66.1 UNK3CD67.1 UNK3CD68.1 UNK3CD69.1 UNK3CD70.1 UNK3CD71.1 UNK3CD72.1 UNK3CD73.1 UNK3CD87.1 UNK3CD88.1 UNK3RD32.1
S3_AVDD33_MOSFET: S3_AVDD33_MOSFET.1(TP) SITE3.J5(AVDD33MOSFET) UNK3BD5.1 UNK3CD90.1 UNK3CD96.1 UNK3CD114.1 UNK3CMOS1.3 UNK3ST5.1
S3_CHR_FE_MDI+: UNK3K58.4 UNK3R130.1
S3_CHR_FE_MDI-: UNK3K58.5 UNK3R130.2
S3_CHR_FE_MDIX+: UNK3K54.4 UNK3R126.1
S3_CHR_FE_MDIX-: UNK3K54.5 UNK3R126.2
S3_CKXTAL1: SITE3.A13(XI) UNK3K34.6
S3_CKXTAL2: SITE3.A12(XO) UNK3K34.3
S3_DCH_AT+: MUX15.5(S4A) SITE3.B15(ATP)
S3_DCH_AT-: MUX15.8(S4B) SITE3.B16(ATN)
S3_DCH_P4_HSI+: MUX1.5(S4A) UNK3K184.33
S3_DCH_P4_HSI-: MUX1.8(S4B) UNK3K184.34
S3_DCH_P4_HSO+: MUX2.5(S4A) UNK3K184.31
S3_DCH_P4_HSO-: MUX2.8(S4B) UNK3K184.32
S3_DCH_P5_HSI+: MUX3.5(S4A) UNK3K184.24
S3_DCH_P5_HSI-: MUX3.8(S4B) UNK3K184.25
S3_DCH_P5_HSO+: MUX4.5(S4A) UNK3K184.22
S3_DCH_P5_HSO-: MUX4.8(S4B) UNK3K184.23
S3_DCH_P6_CLKREQB: MUX11.5(S4A) UNK3K211.4
S3_DCH_P6_HSI+: MUX6.5(S4A) UNK3K214.24
S3_DCH_P6_HSI-: MUX6.8(S4B) UNK3K214.25
S3_DCH_P6_HSO+: MUX7.5(S4A) UNK3K217.25
S3_DCH_P6_HSO-: MUX7.8(S4B) UNK3K217.24
S3_DCH_P6_ISOLATEB: MUX13.5(S4A) UNK3K220.4
S3_DCH_P6_LANWAKEB: MUX12.5(S4A) UNK3K212.4
S3_DCH_P6_PCIE_RESETB: MUX14.5(S4A) UNK3K221.4
S3_DCH_P6_REFCLK_100M+: MUX5.5(S4A) UNK3K214.34
S3_DCH_P6_REFCLK_100M-: MUX5.8(S4B) UNK3K214.33
S3_DCH_P7_CLKREQB: MUX11.8(S4B) UNK3K211.5
S3_DCH_P7_HSI+: MUX9.5(S4A) UNK3K214.22
S3_DCH_P7_HSI-: MUX9.8(S4B) UNK3K214.23
S3_DCH_P7_HSO+: MUX10.5(S4A) UNK3K217.23
S3_DCH_P7_HSO-: MUX10.8(S4B) UNK3K217.22
S3_DCH_P7_ISOLATEB: MUX13.8(S4B) UNK3K220.5
S3_DCH_P7_LANWAKEB: MUX12.8(S4B) UNK3K212.5
S3_DCH_P7_PCIE_RESETB: MUX14.8(S4B) UNK3K221.5
S3_DCH_P7_REFCLK_100M+: MUX8.5(S4A) UNK3K214.32
S3_DCH_P7_REFCLK_100M-: MUX8.8(S4B) UNK3K214.31
S3_DISB: SITE3.R1(DISB) UNK3RD178.1
S3_DPS_AVDD09: S3_DPS_AVDD09.1 SLOT24.E22 UNK3CD45.1 UNK3CD46.1 UNK3CD47.1 UNK3CD48.1 UNK3CD49.1 UNK3CD50.1 UNK3K4.10 UNK3ST2.1
S3_DPS_AVDD33: S3_DPS_AVDD33.1 SLOT24.E20 SLOT24.E23 UNK3BD5.2 UNK3CD74.1 UNK3CD75.1 UNK3CD76.1 UNK3CD77.1 UNK3CD78.1 UNK3CD79.1 UNK3CD111.1 UNK3CD113.1 UNK3CD115.1 UNK3CD116.1 UNK3CD117.1 UNK3CD118.1 UNK3CD119.1 UNK3CD120.1 UNK3RD32.2
S3_DPS_DVDD09: S3_DPS_DVDD09.1 SLOT24.D19 SLOT24.D22 UNK3CD20.1 UNK3CD21.1 UNK3CD22.1 UNK3CD23.1 UNK3CD24.1 UNK3CD25.1 UNK3CD169.1 UNK3CD170.1 UNK3CD171.1 UNK3CD172.1 UNK3CD173.1 UNK3CD174.1 UNK3K4.3
S3_DPS_DVDD33: S3_DPS_DVDD33.1 UNK3CD93.1 UNK3CD94.1 UNK3CD95.1 UNK3CD97.1 UNK3CD112.1 UNK3RD42.2 UNK3RD43.1
S3_DPS_GPIO_P015VDDIO: S3_DPS_GPIO_P015.1 SLOT24.E19 UNK3CD121.1 UNK3CD122.1 UNK3CD123.1 UNK3CD124.1 UNK3CD125.1 UNK3CD126.1 UNK3K5.3 UNK3K5.5 UNK3K5.10
S3_DPS_LDOIN: S3_DPS_LDOIN.1 SLOT24.D16 UNK3CD155.1 UNK3CD156.1 UNK3CD157.1 UNK3CD158.1 UNK3CD159.1 UNK3CD160.1 UNK3CD167.1 UNK3RD43.2 UNK3RD72.2
S3_DVDD09: S3_DVDD09.1(TP) SITE3.G8(DVDD09[01]) SITE3.H9(DVDD09[02]) SITE3.J9(DVDD09[03]) SITE3.K9(DVDD09[04]) SITE3.L9(DVDD09[05]) SITE3.M10(DVDD09[06]) SITE3.M11(DVDD09[07]) SITE3.M12(DVDD09[08]) SITE3.N10(DVDD09[09]) SITE3.N11(DVDD09[10]) SITE3.N12(DVDD09[11]) UNK3BD1.1 UNK3BD19.1 UNK3BD20.1 UNK3CD1.1 UNK3CD2.1 UNK3CD3.1 UNK3CD4.1 UNK3CD5.1 UNK3CD6.1 UNK3CD7.1 UNK3CD8.1 UNK3CD9.1 UNK3CD10.1 UNK3CD11.1 UNK3CD12.1 UNK3CD13.1 UNK3CD14.1 UNK3CD15.1 UNK3CD16.1 UNK3CD17.1 UNK3CD18.1 UNK3CD19.1 UNK3CD80.1 UNK3CD81.1 UNK3ST1.1
S3_DVDD09_VO09: UNK3K4.5 UNK3RD11.1
S3_DVDD33: S3_DVDD33.1(TP) SITE3.M13(DVDD33[01]) SITE3.N13(DVDD33[02]) UNK3CD83.1 UNK3CD84.1 UNK3CD85.1 UNK3CD89.1 UNK3CD91.1 UNK3CD92.1 UNK3CD100.1 UNK3CD142.1 UNK3RD42.1
S3_F_AVDD09: UNK3BD2.2 UNK3CD110.1 UNK3CD179.1 UNK3K4.9
S3_F_DVDD09: UNK3BD1.2 UNK3BD19.2 UNK3BD20.2 UNK3CD109.1 UNK3CD178.1 UNK3K4.4
S3_F_GPIO_VDDIO: UNK3CD135.1 UNK3CD180.1 UNK3K5.4 UNK3RD64.2
S3_F_P0_1_5_VDDIO: UNK3BD8.2 UNK3BD9.2 UNK3BD10.2 UNK3CD144.1 UNK3CD149.1 UNK3CD154.1 UNK3CD181.1 UNK3CD182.1 UNK3CD183.1 UNK3K5.9
S3_FE_LED0: SITE3.N15(FE_LED0) UNK3RD88.1
S3_FE_LED1: SITE3.P15(FE_LED1) UNK3RD89.1
S3_FE_MDI+: SITE3.B8(FE_MDIPA) UNK3K56.3
S3_FE_MDI-: SITE3.B7(FE_MDINA) UNK3K56.6
S3_FE_MDIX+: SITE3.A7(FE_MDIPB) UNK3K52.3
S3_FE_MDIX-: SITE3.A6(FE_MDINB) UNK3K52.6
S3_GPIO_VDDIO: S3_GPIO_VDDIO.1(TP) SITE3.L7(GPIO0_VDDIO) SITE3.M9(GPIO1_VDDIO) SITE3.R6(MAC_VDDIO[01]) SITE3.T6(MAC_VDDIO[02]) UNK3CD108.1 UNK3CD127.1 UNK3CD128.1 UNK3CD129.1 UNK3CD130.1 UNK3CD131.1 UNK3CD132.1 UNK3CD133.1 UNK3CD134.1 UNK3CD143.1 UNK3RD62.2 UNK3RD64.1 UNK3ST6.1
S3_GPIOA_0: SITE3.L1(GPIOA_0) UNK3RD81.1
S3_GPIOA_1: SITE3.M1(GPIOA_1) UNK3RD83.1
S3_GPIOA_2: SITE3.N1(GPIOA_2) UNK3RD82.1
S3_GPIOA_3: SITE3.P1(GPIOA_3) UNK3RD84.1
S3_GPIOB_0: SITE3.L2(GPIOB_0) UNK3RD85.1
S3_GPIOB_1: SITE3.M2(GPIOB_1) UNK3RD86.1